# Altium PCB WhiteRHINO_0v1.PcbDoc (part 2 of 10)
Units mm, origin at the board's own origin, x right, y up, seen from the top; angles counter-clockwise.
Board outline 120.2 x 121.5 mm, 12 copper layers (L1_Top Layer, L2_GND, L3_Critical, L4_Critical, L5_GND, L6_Power, L7_Non-Critical, L8_Power, L9_Critical, L10_Critical, L11_GND, L12_Bottom Layer), stack 1.414 mm thick; 837 components, 556 nets, 3237 pads, 1790 vias.
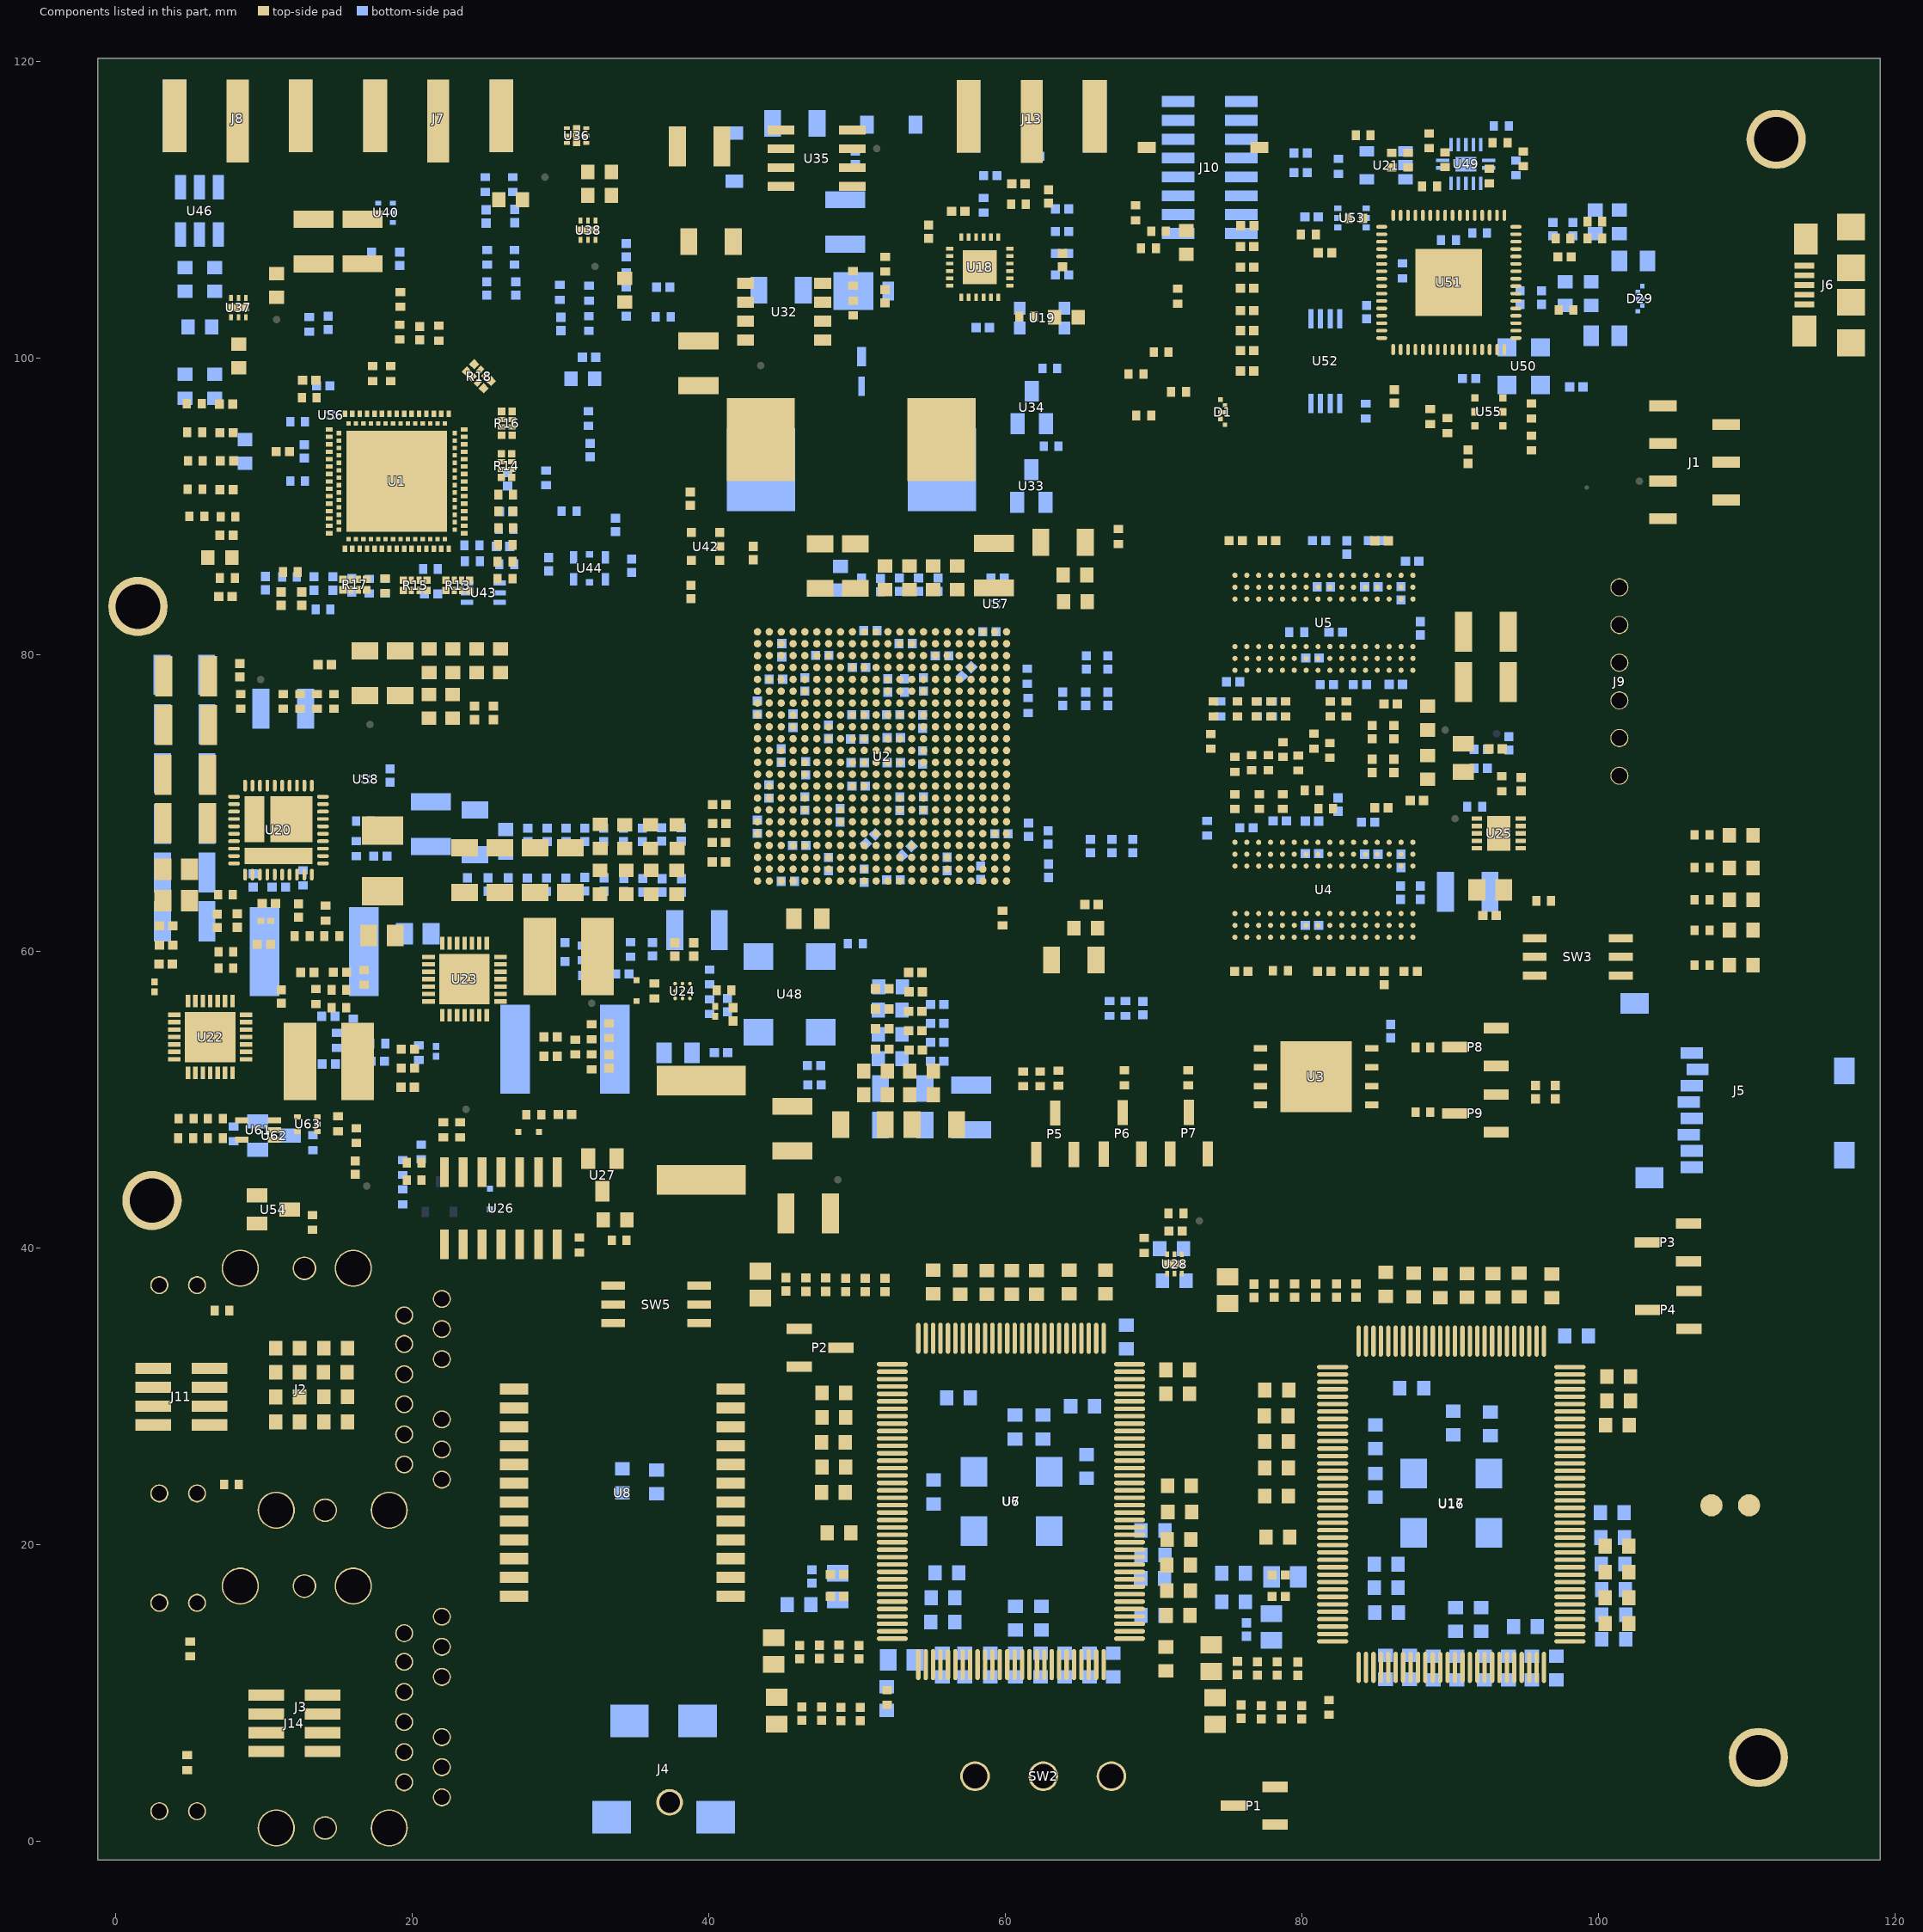
[diagram p12: the components of this part, seen from the top]

## Components (designator, comment, footprint, x,y, rotation, side; value= is the part's Value field where it differs from the comment) (continued)
R5 "RES_0402" RESC0402(1005)_N 18.2,84.6 r270 bottom locked
R6 "RES_0402" RESC0402(1005)_N 30.6,89.65 r0 bottom locked
R7 "RES_0402" RESC0402(1005)_N 26.325,88.525 r180 top locked
R8 "RES_0402" RESC0402(1005)_N 26.325,89.65 r0 top locked
R9 "RES_0402" RESC0402(1005)_N 26.3,87.375 r180 top locked
R10 "RES_0402" RESC0402(1005)_N 26.325,90.775 r0 top locked
R11 "RES_0402" RESC0402(1005)_N 26.275,86.25 r180 top locked
R12 "RES_0402" RESC0402(1005)_N 18.2,84.625 r270 top locked
R13 "RES_4-ARRAY" RES_4-ARRAY_YC124-JR-0722RL 23.1,84.65 r270 top locked
R14 "RES_4-ARRAY" RES_4-ARRAY_YC124-JR-0722RL 26.375,92.725 r180 top locked
R15 "RES_4-ARRAY" RES_4-ARRAY_YC124-JR-0722RL 20.225,84.65 r270 top locked
R16 "RES_4-ARRAY" RES_4-ARRAY_YC124-JR-0722RL 26.4,95.575 r180 top locked
R17 "RES_4-ARRAY" RES_4-ARRAY_YC124-JR-0722RL 16.15,84.7 r270 top locked
R18 "RES_4-ARRAY" RES_4-ARRAY_YC124-JR-0722RL 24.525,98.75 r225 top locked
R19 "RES_0402" RESC0402(1005)_N 11.75,85.225 r0 bottom locked
R20 "RES_0402" RESC0402(1005)_N 14,83.025 r180 bottom locked
R21 "RES_0402" RESC0402(1005)_N 26.275,85.1 r180 top locked
R22 "RES_0402" RESC0402(1005)_N 14.75,76.825 r90 top locked
R23 "RES_0402" RESC0402(1005)_N 11.325,76.825 r90 top locked
R24 "RES_0402" RESC0402(1005)_N 13.6,76.825 r90 top locked
R25 "RES_0402" RESC0402(1005)_N 12.45,76.825 r90 top locked
R26 "RES_0402" RESC0402(1005)_N 18.575,98.925 r270 top locked
R27 "RES_0402" RESC0402(1005)_N 34.45,105.25 r270 bottom locked
R28 "RES_0402" RESC0402(1005)_N 36.95,102.75 r180 bottom
R29 "RES_0402" RESC0402(1005)_N 69.675,107.375 r180 top
R30 "RES_0402" RESC0402(1005)_N 70.35,108.525 r180 top
R31 "RES_0402" RESC0402(1005)_N 67.65,87.95 r90 top
R32 "RES_0402" RESC0402(1005)_N 71.65,104.15 r90 top
R33 "RES_0402" RESC0402(1005)_N 71.7,97.7 r180 top locked
R34 "RES_0402" RESC0402(1005)_N 68.8,109.775 r270 top
R35 "RES_0402" RESC0402(1005)_N 69.35,96.1 r180 top locked
R36 "RES_0402" RESC0402(1005)_N 68.825,98.9 r180 top
R37 "RES_0402" RESC0402(1005)_N 70.525,100.375 r180 top locked
R38 "RES_0402" RESC0402(1005)_N 78.575,58.675 r0 top locked
R39 "RES_0402" RESC0402(1005)_N 79.675,81.5 r180 bottom locked
R40 "RES_0402" RESC0402(1005)_N 78.75,73.575 r270 top
R41 "RES_0402" RESC0402(1005)_N 78.725,70.075 r270 top
R42 "RES_0402" RESC0402(1005)_N 77.925,76.325 r90 top
R43 "RES_0402" RESC0402(1005)_N 75.5,70.075 r270 top
R44 "RES_0402" RESC0402(1005)_N 75.675,76.325 r90 top
R45 "RES_0402" RESC0402(1005)_N 77.75,72.7 r90 top
R46 "RES_0402" RESC0402(1005)_N 75.5,72.575 r90 top
R47 "RES_0402" RESC0402(1005)_N 79.775,72.675 r90 top
R48 "RES_0402" RESC0402(1005)_N 73.875,74.125 r270 top
R49 "RES_0402" RESC0402(1005)_N 73.625,68.275 r270 bottom locked
R50 "RES_0402" RESC0402(1005)_N 74.05,76.325 r270 top
R51 "RES_0402" RESC0402(1005)_N 75.5,70.075 r270 bottom locked
R52 "RES_0402" RESC0402(1005)_N 76.95,76.325 r90 top
R53 "RES_0402" RESC0402(1005)_N 77.15,70.075 r270 top
R54 "RES_0402" RESC0402(1005)_N 78.925,76.325 r90 top
R55 "RES_0402" RESC0402(1005)_N 77,76.325 r90 bottom locked
R56 "RES_0402" RESC0402(1005)_N 76.625,72.7 r90 top
R57 "RES_0402" RESC0402(1005)_N 78.025,76.325 r90 bottom locked
R58 "RES_0402" RESC0402(1005)_N 80.825,74.15 r270 top
R59 "RES_0402" RESC0402(1005)_N 81.925,76.325 r90 top
R60 "RES_0402" RESC0402(1005)_N 81.9,73.525 r270 top
R61 "RES_0402" RESC0402(1005)_N 83.025,76.325 r90 top
R62 "RES_0402" RESC0402(1005)_N 81.925,76.325 r90 bottom locked
R63 "RES_0402" RESC0402(1005)_N 80.7,70.825 r180 top
R64 "RES_0402" RESC0402(1005)_N 81.625,69.6 r0 top
R65 "RES_0402" RESC0402(1005)_N 74.525,76.325 r90 bottom locked
R66 "RES_0603" RESC0603(1608)_N 71.65,30.15 r180 top
R67 "RES_0603" RESC0603(1608)_N 70.85,12.275 r270 top
R68 "RES_0603" RESC0603(1608)_N 65.5,25.25 r90 bottom locked
R69 "RES_0603" RESC0603(1608)_N 65.225,29.3 r0 bottom locked
R70 "RES_0603" RESC0603(1608)_N 48.425,23.5 r0 top locked
R71 "RES_0603" RESC0603(1608)_N 55.15,37.675 r270 top
R72 "RES_0603" RESC0603(1608)_N 48.8,20.775 r0 top locked
R73 "RES_0603" RESC0603(1608)_N 48.45,25.2 r0 top locked
R74 "RES_0603" RESC0603(1608)_N 48.425,26.875 r0 top locked
R75 "RES_0603" RESC0603(1608)_N 69.975,15.2 r180 bottom locked
R76 "RES_0603" RESC0603(1608)_N 48.45,28.55 r0 top locked
R77 "RES_0603" RESC0603(1608)_N 48.45,30.2 r0 top locked
R78 "RES_0603" RESC0603(1608)_N 71.7,16.875 r180 top
R79 "RES_0603" RESC0603(1608)_N 71.7,18.6 r180 top
R80 "RES_0603" RESC0603(1608)_N 69.95,17.7 r180 bottom locked
R81 "RES_0603" RESC0603(1608)_N 69.975,19.275 r180 bottom locked
R82 "RES_0603" RESC0603(1608)_N 69.975,20.925 r180 bottom locked
R83 "RES_0603" RESC0603(1608)_N 71.725,20.325 r180 top
R84 "RES_0603" RESC0603(1608)_N 68.175,33.975 r270 bottom locked
R85 "RES_0603" RESC0603(1608)_N 71.775,22.175 r180 top
R86 "RES_0603" RESC0603(1608)_N 56.85,29.875 r0 bottom locked
R87 "RES_0603" RESC0603(1608)_N 71.675,15.2 r0 top
R88 "RES_0603" RESC0603(1608)_N 71.75,23.95 r180 top
R89 "RES_0603" RESC0603(1608)_N 55.8,14.75 r180 bottom locked
R90 "RES_0603" RESC0603(1608)_N 71.65,31.75 r180 top
R91 "RES_0603" RESC0603(1608)_N 56.075,18.075 r180 bottom locked
R92 "RES_0603" RESC0603(1608)_N 66.775,37.675 r270 top
R93 "RES_0603" RESC0603(1608)_N 64.325,37.675 r270 top
R94 "RES_0603" RESC0603(1608)_N 55.825,16.4 r180 bottom locked
R95 "RES_0603" RESC0603(1608)_N 56.975,37.65 r270 top locked
R96 "RES_0603" RESC0603(1608)_N 58.775,37.65 r270 top
R97 "RES_0603" RESC0603(1608)_N 60.45,37.65 r270 top
R98 "RES_0603" RESC0603(1608)_N 62.125,37.65 r270 top
R99 "RES_0402" RESC0402(1005)_N 52.05,9.675 r90 top locked
R100 "RES_0603" RESC0603(1608)_N 55.175,23.525 r270 bottom locked
R101 "RES_0603" RESC0603(1608)_N 65.698,11.85 r90 bottom locked
R102 "RES_0603" RESC0603(1608)_N 62.4,11.85 r90 bottom locked
R103 "RES_0603" RESC0603(1608)_N 59,11.85 r90 bottom locked
R104 "RES_0603" RESC0603(1608)_N 55.773,11.85 r90 bottom locked
R105 "RES_0603" RESC0603(1608)_N 67.3,11.85 r90 bottom locked
R106 "RES_0603" RESC0603(1608)_N 64.025,11.85 r90 bottom locked
R107 "RES_0603" RESC0603(1608)_N 60.7,11.85 r90 bottom locked
R108 "RES_0603" RESC0603(1608)_N 57.273,11.85 r90 bottom locked
R109 "RES_0603" RESC0603(1608)_N 14.85,28.25 r0 top
R110 "RES_0603" RESC0603(1608)_N 14.85,29.95 r0 top
R111 "RES_0603" RESC0603(1608)_N 14.85,33.225 r0 top
R112 "RES_0603" RESC0603(1608)_N 14.825,31.6 r0 top
R113 "RES_0402" RESC0402(1005)_N 107,63.45 r180 top
R114 "RES_0402" RESC0402(1005)_N 107,59.05 r180 top
R115 "RES_0402" RESC0402(1005)_N 107,67.825 r180 top
R116 "RES_0402" RESC0402(1005)_N 107,65.625 r180 top
R117 "RES_0402" RESC0402(1005)_N 107,61.4 r180 top
R118 "RES_0402" RESC0402(1005)_N 7.825,24.025 r0 top
R119 "RES_0402" RESC0402(1005)_N 7.2,35.75 r0 top
R120 "RES_0402" RESC0402(1005)_N 4.85,5.275 r90 top
R121 "RES_0402" RESC0402(1005)_N 5.05,12.95 r270 top
R143 "RES_0603" RESC0603(1608)_N 46.1,15.925 r180 bottom locked
R144 "RES_0603" RESC0603(1608)_N 52.025,9.6 r270 bottom locked
R145 "RES_0603" RESC0603(1608)_N 101.375,29.675 r180 top
R146 "RES_0603" RESC0603(1608)_N 95.1,14.45 r180 bottom locked
R147 "RES_0603" RESC0603(1608)_N 84.975,27.25 r90 bottom
R148 "RES_0603" RESC0603(1608)_N 101.3,28.025 r180 top
R149 "RES_0603" RESC0603(1608)_N 78.3,23.25 r0 top locked
R150 "RES_0603" RESC0603(1608)_N 85.675,37.525 r270 top
R151 "RES_0603" RESC0603(1608)_N 78.4,20.475 r0 top locked
R152 "RES_0603" RESC0603(1608)_N 78.3,25.15 r0 top locked
R153 "RES_0603" RESC0603(1608)_N 78.3,26.925 r0 top locked
R154 "RES_0603" RESC0603(1608)_N 101.275,14.65 r180 top
R155 "RES_0603" RESC0603(1608)_N 78.275,28.65 r0 top locked
R156 "RES_0603" RESC0603(1608)_N 78.325,30.4 r0 top locked
R157 "RES_0603" RESC0603(1608)_N 101.05,15.25 r180 bottom locked
R158 "RES_0603" RESC0603(1608)_N 101.025,16.95 r180 bottom locked
R159 "RES_0603" RESC0603(1608)_N 101.275,16.4 r180 top
R160 "RES_0603" RESC0603(1608)_N 101.275,18.125 r180 top
R161 "RES_0603" RESC0603(1608)_N 101.275,19.875 r180 top
R162 "RES_0603" RESC0603(1608)_N 101.05,13.6 r0 bottom locked
R163 "RES_0603" RESC0603(1608)_N 101,18.675 r180 bottom locked
R164 "RES_0603" RESC0603(1608)_N 98.55,34.05 r0 bottom locked
R165 "RES_0603" RESC0603(1608)_N 100.975,20.45 r180 bottom locked
R166 "RES_0603" RESC0603(1608)_N 87.425,30.525 r0 bottom locked
R167 "RES_0603" RESC0603(1608)_N 100.95,22.125 r180 bottom locked
R168 "RES_0603" RESC0603(1608)_N 85.725,15.4 r180 bottom locked
R169 "RES_0603" RESC0603(1608)_N 101.375,31.3 r180 top
R170 "RES_0603" RESC0603(1608)_N 85.7,18.65 r180 bottom locked
R171 "RES_0603" RESC0603(1608)_N 96.875,37.425 r270 top
R172 "RES_0603" RESC0603(1608)_N 94.675,37.475 r270 top
R173 "RES_0603" RESC0603(1608)_N 85.7,17.075 r180 bottom locked
R174 "RES_0603" RESC0603(1608)_N 87.55,37.475 r270 top locked
R175 "RES_0603" RESC0603(1608)_N 89.35,37.425 r270 top
R176 "RES_0603" RESC0603(1608)_N 91.15,37.45 r270 top
R177 "RES_0603" RESC0603(1608)_N 92.9,37.45 r270 top
R178 "RES_0402" RESC0402(1005)_N 81.85,9 r90 top locked
R179 "RES_0603" RESC0603(1608)_N 84.975,23.975 r270 bottom locked
R180 "RES_0603" RESC0603(1608)_N 95.525,11.65 r90 bottom locked
R181 "RES_0603" RESC0603(1608)_N 92.325,11.65 r90 bottom locked
R182 "RES_0603" RESC0603(1608)_N 88.875,11.65 r90 bottom locked
R183 "RES_0603" RESC0603(1608)_N 85.65,11.7 r90 bottom
R184 "RES_0603" RESC0603(1608)_N 97.175,11.65 r90 bottom locked
R185 "RES_0603" RESC0603(1608)_N 93.95,11.65 r90 bottom
R186 "RES_0603" RESC0603(1608)_N 90.475,11.65 r90 bottom locked
R187 "RES_0603" RESC0603(1608)_N 87.275,11.7 r90 bottom locked
R188 "RES_0603" RESC0603(1608)_N 75.4,16.125 r180 bottom
R189 "RES_0603" RESC0603(1608)_N 75.4,18.05 r180 bottom
R190 "RES_0402" RESC0402(1005)_N 61.45,102.775 r0 top locked
R191 "RES_0402" RESC0402(1005)_N 16.25,66.9 r270 bottom locked
R192 "RES_0402" RESC0402(1005)_N 8.45,76.825 r90 top locked
R193 "RES_0402" RESC0402(1005)_N 17.775,67.575 r0 bottom
R194 "RES_0402" RESC0402(1005)_N 13.3,41.7 r270 top
R195 "RES_0402" RESC0402(1005)_N 16.725,68.75 r180 bottom
R196 "RES_0402" RESC0402(1005)_N 7.425,63.8 r180 top
R197 "RES_0402" RESC0402(1005)_N 12.65,64.925 r270 bottom
R198 "RES_0402" RESC0402(1005)_N 14.6,61 r0 top
R199 "RES_0402" RESC0402(1005)_N 7.45,59.95 r180 top locked
R200 "RES_0402" RESC0402(1005)_N 12.6,61 r0 top locked
R201 "RES_0402" RESC0402(1005)_N 14.175,62.55 r90 top
R202 "RES_0402" RESC0402(1005)_N 17.7,53.75 r180 bottom
R203 "RES_0402" RESC0402(1005)_N 16.075,52.9 r270 bottom locked
R204 "RES_0402" RESC0402(1005)_N 16.05,54.925 r270 bottom
R205 "RES_0402" RESC0402(1005)_N 14.925,53.975 r270 bottom locked
R206 "RES_0402" RESC0402(1005)_N 15.075,57.375 r0 top
R207 "RES_0402" RESC0402(1005)_N 13.525,56.925 r90 top
R208 "RES_0402" RESC0402(1005)_N 16.775,58.225 r270 top
R209 "RES_0402" RESC0402(1005)_N 7.45,58.85 r180 top
R210 "RES_0402" RESC0402(1005)_N 15.075,56.175 r180 top
R211 "RES_0402" RESC0402(1005)_N 34.75,60.1 r90 bottom
R212 "RES_0402" RESC0402(1005)_N 31.975,58.35 r0 bottom locked
R213 "RES_0402" RESC0402(1005)_N 32.575,59.875 r270 bottom
R214 "RES_0402" RESC0402(1005)_N 31.5,59.875 r270 bottom
R215 "RES_0402" RESC0402(1005)_N 32.125,54.55 r90 top
R216 "RES_0402" RESC0402(1005)_N 31.025,53.525 r90 top
R217 "RES_0402" RESC0402(1005)_N 33.3,54.625 r90 top
R218 "RES_0402" RESC0402(1005)_N 20.475,53.15 r270 bottom locked
R219 "RES_0402" RESC0402(1005)_N 32.125,52.525 r90 top
R220 "RES_0402" RESC0402(1005)_N 36.35,57.3 r270 top
R221 "RES_0805" RESC0805(2012)_N 37.95,53.125 r180 bottom locked
R222 "RES_0402" RESC0402(1005)_N 40.075,56.25 r270 bottom locked
R223 "RES_0402" RESC0402(1005)_N 41.05,57.35 r0 top
R224 "RES_0402" RESC0402(1005)_N 40.075,58.25 r270 bottom
R225 "RES_0402" RESC0402(1005)_N 91.675,69.725 r0 bottom locked
R226 "RES_0402" RESC0402(1005)_N 93.5,71.275 r270 top
R227 "RES_0402" RESC0402(1005)_N 19.375,45.4 r90 bottom locked
R228 "RES_0402" RESC0402(1005)_N 19.375,43.425 r90 bottom locked
R229 "RES_0402" RESC0402(1005)_N 31.3,40.175 r90 top
R230 "RES_0402" RESC0402(1005)_N 22.125,47.95 r270 top
R231 "RES_0402" RESC0402(1005)_N 28.225,48.95 r180 top
R232 "RES_0402" RESC0402(1005)_N 16.25,47.55 r90 top
R233 "RES_0402" RESC0402(1005)_N 20.15,44.55 r0 top locked
R234 "RES_0402" RESC0402(1005)_N 23.25,47.95 r270 top locked
R235 "RES_0402" RESC0402(1005)_N 20.15,45.725 r0 top
R236 "RES_0402" RESC0402(1005)_N 33.975,40.5 r180 top locked
R237 "RES_0402" RESC0402(1005)_N 20.625,46.45 r90 bottom
R238 "RES_0402" RESC0402(1005)_N 71.525,42.3 r0 top
R239 "RES_0402" RESC0402(1005)_N 69.375,40.15 r90 top locked
R246 "RES_0402" RESC0402(1005)_N 49.75,105.35 r90 top
R247 "RES_0402" RESC0402(1005)_N 49.761,103.351 r90 top
R248 "RES_0402" RESC0402(1005)_N 51.912,106.301 r90 top
R249 "RES_0402" RESC0402(1005)_N 63.1,94.025 r0 bottom
R250 "RES_0402" RESC0402(1005)_N 63.025,99.275 r0 bottom
R260 "RES_0402" RESC0402(1005)_N 24.075,86.275 r180 bottom locked
R261 "RES_0402" RESC0402(1005)_N 24.05,87.35 r180 bottom locked
R262 "RES_0402" RESC0402(1005)_N 7.6,89.275 r180 top
R263 "RES_0402" RESC0402(1005)_N 31.925,102.3 r90 bottom locked
R264 "RES_0402" RESC0402(1005)_N 11.8,85.55 r180 top
R265 "RES_0402" RESC0402(1005)_N 25.075,106.775 r270 bottom
R266 "RES_0402" RESC0402(1005)_N 21.25,85.75 r0 bottom locked
R270 "RES_0402" RESC0402(1005)_N 61.5,78.525 r90 bottom locked
R271 "RES_0402" RESC0402(1005)_N 61.55,76.55 r90 bottom locked
R272 "RES_0402" RESC0402(1005)_N 59.825,62.225 r270 top locked
R273 "RES_0402" RESC0402(1005)_N 62.375,51.375 r270 top locked
R274 "RES_0402" RESC0402(1005)_N 63.6,51.425 r270 top
R275 "RES_0402" RESC0402(1005)_N 68.05,51.45 r270 top
R276 "RES_0402" RESC0402(1005)_N 61.225,51.375 r270 top
R277 "RES_0402" RESC0402(1005)_N 72.35,51.45 r270 top locked
R278 "RES_0402" RESC0402(1005)_N 88.175,53.5 r0 top locked
R279 "RES_0402" RESC0402(1005)_N 88.175,49.125 r0 top locked
R280 "RES_0402" RESC0402(1005)_N 49.9,60.5 r0 bottom locked
R281 "RES_0402" RESC0402(1005)_N 96.325,63.375 r180 top
R282 "RES_0402" RESC0402(1005)_N 68.125,56.125 r90 bottom
R283 "RES_0402" RESC0402(1005)_N 67.05,56.125 r270 bottom locked
R284 "RES_0402" RESC0402(1005)_N 92.65,112.25 r90 top
R285 "RES_0402" RESC0402(1005)_N 93.475,115.625 r180 bottom locked
R286 "RES_0402" RESC0402(1005)_N 92,108.4 r0 bottom
R287 "RES_0402" RESC0402(1005)_N 94.95,113.4 r270 top
R288 "RES_0402" RESC0402(1005)_N 88.625,111.55 r180 top
R289 "RES_0402" RESC0402(1005)_N 99.775,109.175 r180 top locked
R290 "RES_0402" RESC0402(1005)_N 97.625,108.05 r180 top locked
R291 "RES_0402" RESC0402(1005)_N 86.075,113.325 r90 top
R292 "RES_0402" RESC0402(1005)_N 89.675,113.35 r270 top locked
R293 "RES_0402" RESC0402(1005)_N 87.175,113.325 r90 top
R294 "RES_0402" RESC0402(1005)_N 99.775,108.05 r180 top
R295 "RES_0402" RESC0402(1005)_N 97.825,103.225 r180 top
R296 "RES_0402" RESC0402(1005)_N 84.15,115 r0 top locked
R297 "RES_0402" RESC0402(1005)_N 93.375,114.5 r0 top locked
R298 "RES_0402" RESC0402(1005)_N 88.6,114.625 r270 top
R299 "RES_0402" RESC0402(1005)_N 83.65,109.4 r180 top locked
R300 "RES_0402" RESC0402(1005)_N 86.8,105.85 r270 bottom
R301 "RES_0402" RESC0402(1005)_N 84.325,96.4 r90 bottom
R302 "RES_0402" RESC0402(1005)_N 89.9,107.925 r180 bottom locked
R303 "RES_0402" RESC0402(1005)_N 94.45,112.8 r270 bottom
R304 "RES_0402" RESC0402(1005)_N 82.475,112.9 r90 bottom locked
R305 "RES_0402" RESC0402(1005)_N 80.45,108.3 r180 top locked
R306 "RES_0402" RESC0402(1005)_N 95.5,94.25 r270 top
R307 "RES_0402" RESC0402(1005)_N 88.675,96.025 r270 top locked
R308 "RES_0402" RESC0402(1005)_N 89.825,95.425 r270 top locked
R309 "RES_0402" RESC0402(1005)_N 95.5,96.4 r90 top
R310 "RES_0402" RESC0402(1005)_N 4.775,48.7 r180 top locked
R311 "RES_0402" RESC0402(1005)_N 4.75,47.375 r180 top locked
R312 "RES_0402" RESC0402(1005)_N 6.75,48.7 r180 top
R313 "RES_0402" RESC0402(1005)_N 6.75,47.375 r180 top
R314 "RES_0402" RESC0402(1005)_N 13.325,47.075 r270 bottom locked
R315 "RES_0402" RESC0402(1005)_N 7.975,47.675 r270 bottom locked
R316 "RES_0402" RESC0402(1005)_N 15.025,48.35 r270 top
SW1 "CHS-01TB" DIP_Switch_SPST_CopalElectronics_CHS-01TB 73.35,114.175 r0 top
SW2 "SPDT_Power" SPDT_Power_L102021ML04Q_Thru-Hole 62.575,6.9 r90 top
SW3 "PushBut_Switch" PushButtonSwitch_CnK_1.14002.1110000 98.625,59.6 r0 top
SW5 "PushBut_Switch" PushButtonSwitch_CnK_1.14002.1110000 36.475,36.175 r0 top
U1 "LMS6002DFN" RF_Transceiver_LimeMicro_LMS6002D_DQFN-116 18.981,91.662 r90 top locked
U2 "XC7Z020-1CLG484CES" ZYNQ_xc7z020clg484pkg_BGA-484 51.704,73.114 r180 top locked
U3 "SPI_Flash_S25FL256SAGNFI00" SPI_Flash_S25FL256SAGNFI00_WSON-8 80.975,51.525 r0 top
U4 "DDR3_MICRON_MT41J128M16HA-15ED" DDR3_MICRON_MT41J128M16HA-15ED_FBGA96 81.504,64.125 r270 top locked
U5 "DDR3_MICRON_MT41J128M16HA-15ED" DDR3_MICRON_MT41J128M16HA-15ED_FBGA96 81.504,82.125 r270 top locked
U6 "EthernetPHY_TI_DP83865DVH" EthernetPHY_TI_DP83865(PQFP)_VLA128A_N 60.398,22.887 r180 top locked
U7 "Oscillator_Vectron_VCC1-B2B-25M000" Oscillator_Vectron_VCC1-B2B-25M000_SMD 60.448,22.887 r180 bottom
U8 "GigabitTransformer_Pulse_H6062NLT" GigabitTransformer_H6062NLT_SOP-24 34.2,23.475 r180 top locked
U16 "EthernetPHY_TI_DP83865DVH" EthernetPHY_TI_DP83865(PQFP)_VLA128A_N 90.093,22.699 r180 top locked
U17 "Oscillator_Vectron_VCC1-B2B-25M000" Oscillator_Vectron_VCC1-B2B-25M000_SMD 90.095,22.758 r180 bottom
U18 "GPSReceiver_Skyworks_SE4110L" GPSReceiver_Skyworks_SE4110L_24QFN 58.3,106.1 r270 top locked
U19 "TCXO_TXC_7Q-16.368MBG-T" TCXO_TXC_7Q-16.368MBG-T_4-PIN 62.5,102.675 r180 bottom
U20 "MAX-MAX8686-SQ43" MAX_MAX8686_T4066M+1_N 11,68.15 r180 top locked
U21 "Buffer_NC7SZ125" Buffer_Fairchild_NC7SZ125_SOT95P280X145-5N 85.7,112.975 r180 bottom locked
U22 "MAX_MAX15021ATI" MAX_MAX15021ATI_28TQFN_T2855-6 6.4,54.2 r270 top locked
U23 "MAX_MAX15021ATI" MAX_MAX15021ATI_28TQFN_T2855-6 23.55,58.1 r90 top locked
U24 "MAX_MAX15053EWL" MAX_MAX15053EWL_9WLP_W91E1Z+1 38.25,57.3 r180 top locked
U25 "MAX_MAX1510ETB" MAX_MAX1510ETB_10TDFN_T1033+1 93.3,67.925 r90 top locked
U26 "QuadComp_Fairchild_LM339M" QuadComp_Fairchild_LM339MX-NOPB_14SOIC 26,42.65 r270 top locked
U27 "NMOS_Fairchild_FDV301" NMOS_Fairchild_FDV301_SOT23-3 32.85,44.9 r270 top
U28 "LDO_Micrel_MIC94325YMTTR" LDO_Micrel_MIC94325YMTTR_TDFN-6 71.425,38.9 r180 top
U32 "Regulator_LT_LT1376CS8#PBF" LT1376CS8#PBF_8SOIC 45.1,103.1 r0 top locked
U33 "NMOS_Fairchild_FDV301" NMOS_Fairchild_FDV301_SOT23-3 61.775,91.35 r90 bottom locked
U34 "NMOS_Fairchild_FDV301" NMOS_Fairchild_FDV301_SOT23-3 61.8,96.65 r90 bottom
U35 "Regulator_LT_LT1507CS8-3.3#PBF" Regulator_LT_LT1507CS8-3.3#PBF_8SOIC 47.3,113.45 r0 top locked
U36 "LDO_Micrel_MIC94355-GYMTTR" LDO_Micrel_MIC94325YMTTR_TDFN-6 31.1,114.975 r270 top
U37 "LDO_Micrel_MIC94355-GYMTTR" LDO_Micrel_MIC94325YMTTR_TDFN-6 8.306,103.375 r180 top
U38 "LDO_Micrel_MIC94355-GYMTTR" LDO_Micrel_MIC94325YMTTR_TDFN-6 31.875,108.6 r0 top locked
U40 "Balun_AnarenB0322J5050AHF" Balun_AnarenB0322J5050AHF_6-PIN_SMD 18.225,109.775 r180 bottom locked